# Altium PCB touch.gfx.PcbDoc (part 3 of 3)
Units mm, origin at the board's own origin, x right, y up, seen from the top; angles counter-clockwise.
Board outline 116.01 x 112.64 mm, 2 copper layers (Top Layer, Bottom Layer); 211 components, 219 nets, 923 pads, 396 vias.
Unrouted connection lines stored in the file: 1.
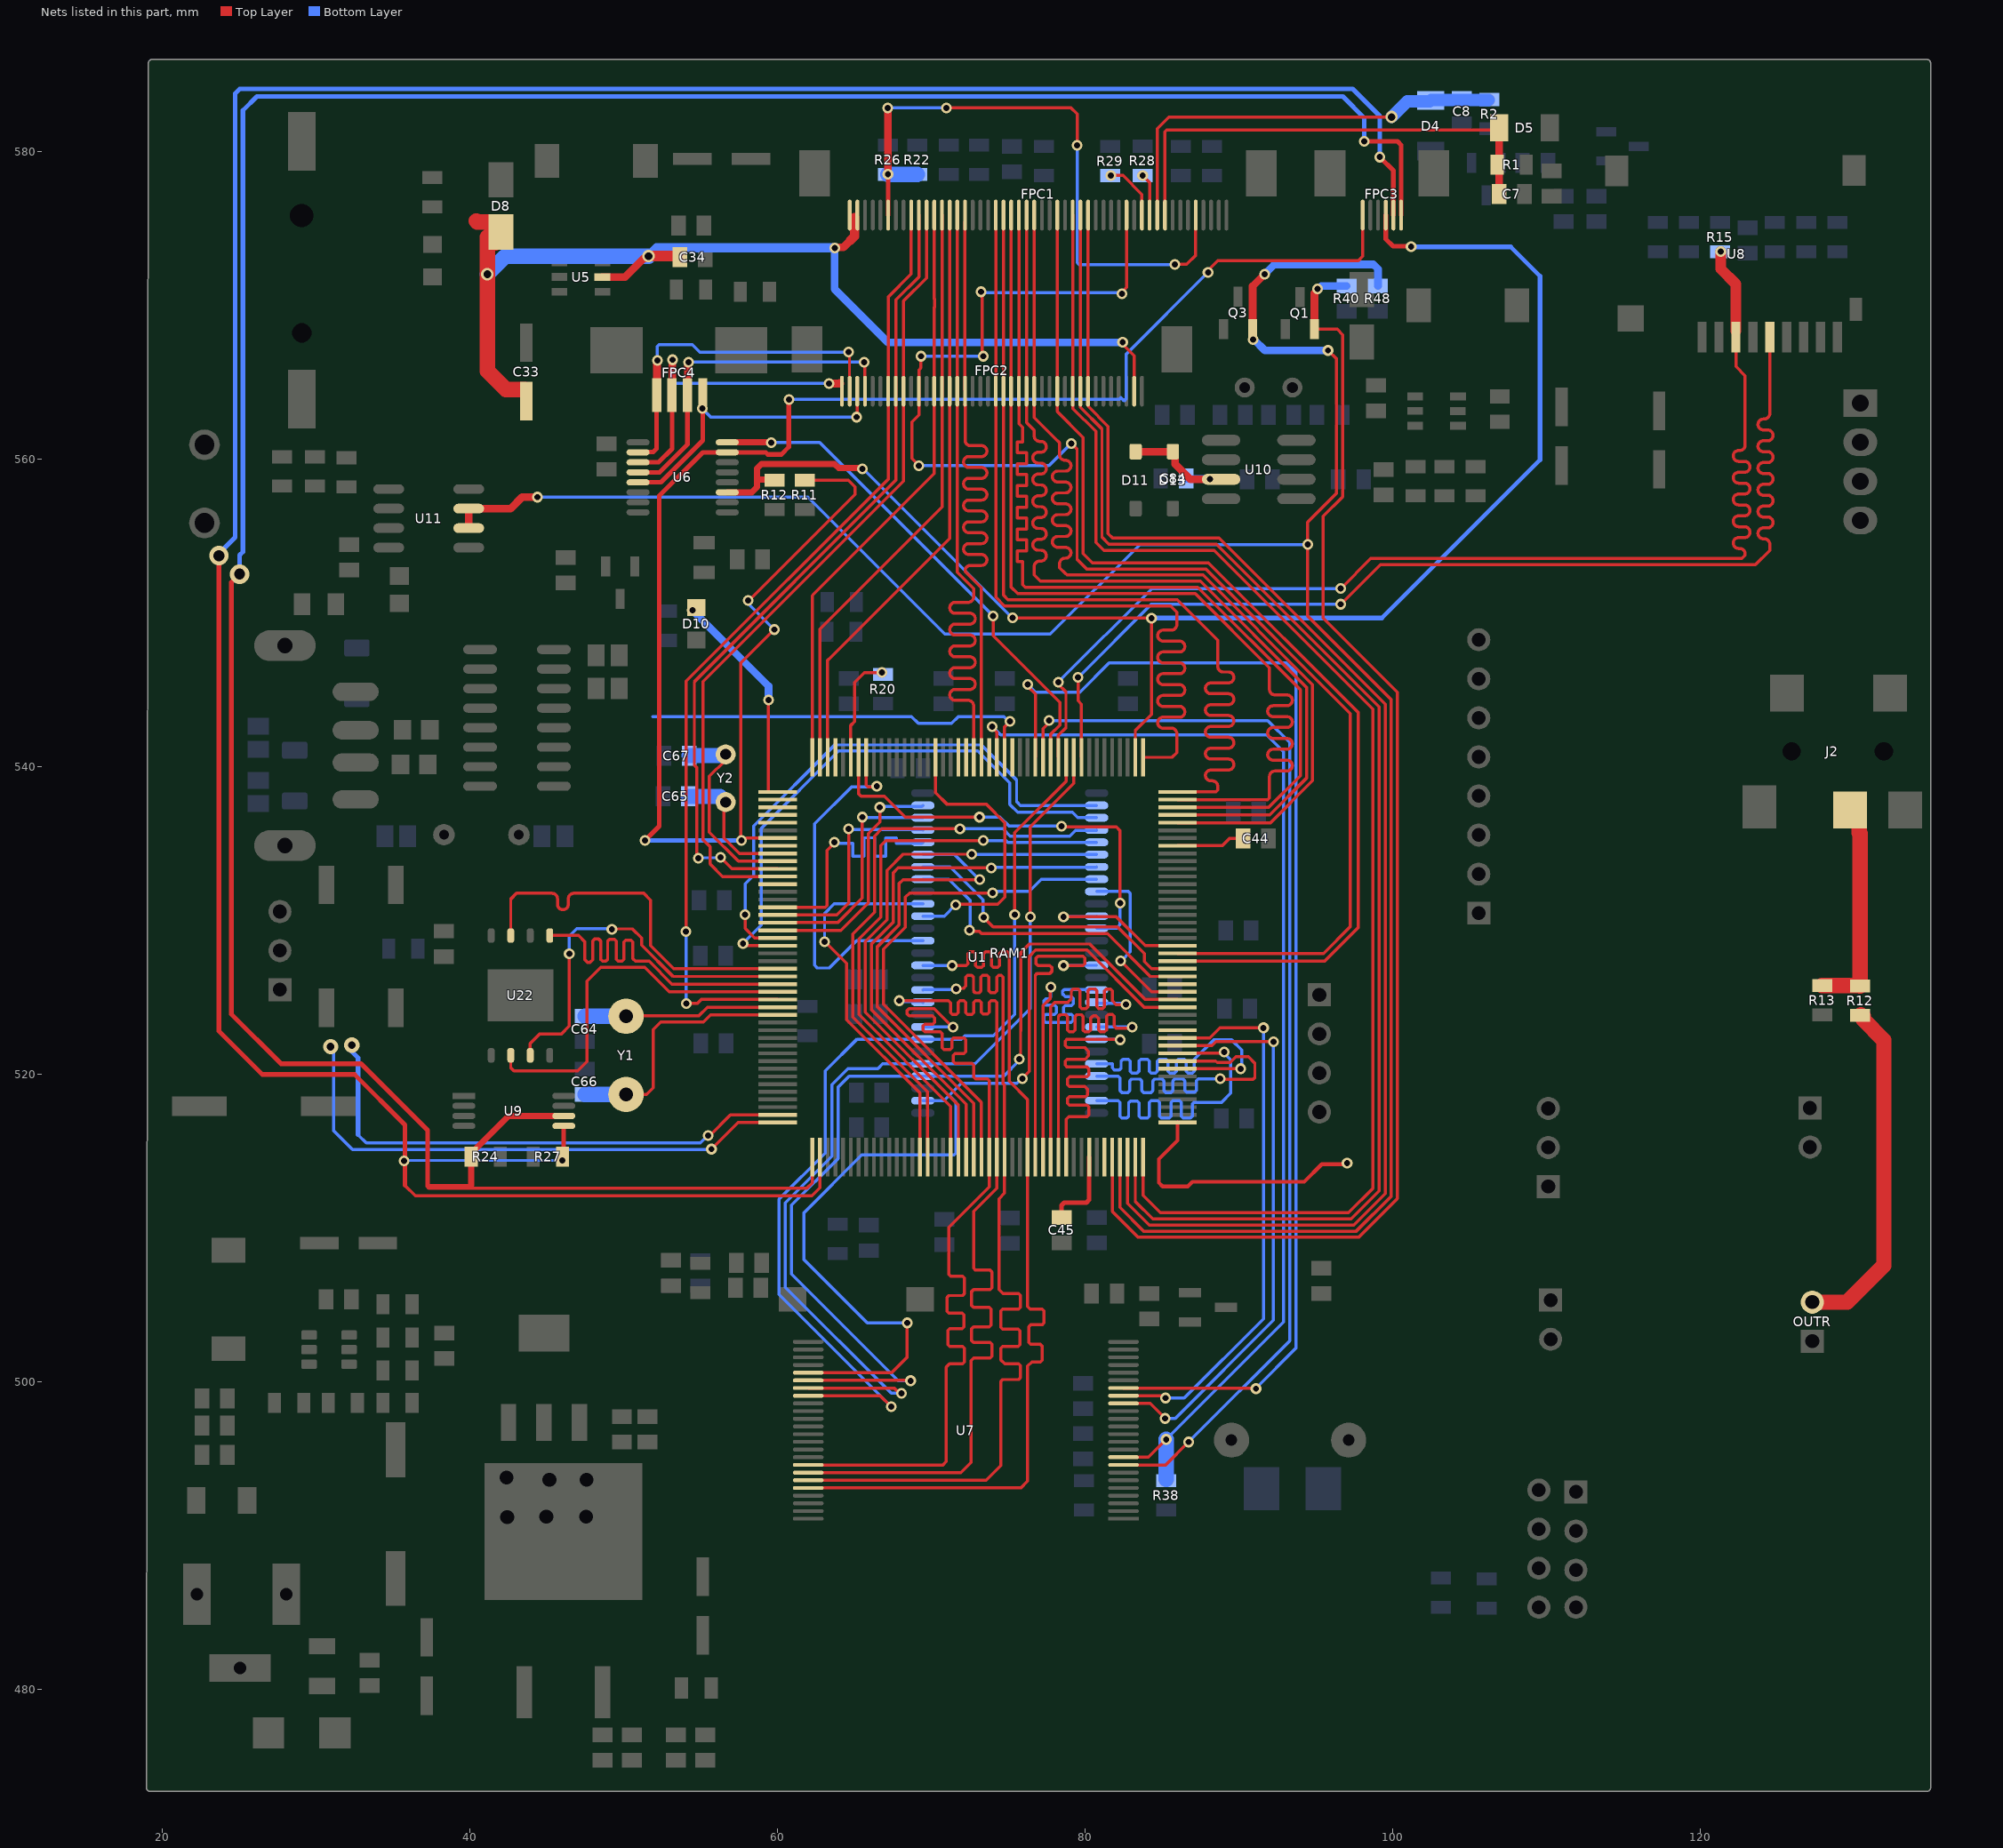
[diagram p3: the nets of this part, all layers, seen from the top]

## Via types
v1: diameter 0.7, hole 0.4, Top Layer to Bottom Layer, tented both sides, 329 vias
v2: diameter 1.27, hole 0.711, Top Layer to Bottom Layer, tented both sides, 22 vias
v3: diameter 1, hole 0.5, Top Layer to Bottom Layer, tented both sides, 19 vias
v4: diameter 1, hole 0.4, Top Layer to Bottom Layer, tented both sides, 8 vias
v5: diameter 0.8, hole 0.5, Top Layer to Bottom Layer, tented both sides, 6 vias
v6: diameter 3.1, hole 3.1, Top Layer to Bottom Layer, tented both sides, 4 vias
v7: diameter 0.6, hole 0.4, Top Layer to Bottom Layer, tented both sides, 4 vias
v8: diameter 1.1, hole 0.4, Top Layer to Bottom Layer, tented both sides, 2 vias
v9: diameter 1.2, hole 1.2, Top Layer to Bottom Layer, tented both sides, 2 vias

## Nets (pads, with @x,y where several pads share a name; then routed paths per layer and width w, separated by ;. In a path a pad name is that pad's centre, name@x,y a point inside that pad or via, vN(x,y) a via of type N, cw(c..) or ccw(c..) an arc to the next point about the centre after c; other vN are vias at no path point) (continued)
PC12: U1.141 U8.5 | length 75.3
  Top Layer w0.2: v1(79.56,545.783) 79.56,544.259 79.783,544.036 U1.141@79.783,540.585 ; v1(96.647,550.545) 99.212,553.11 123.601,553.11 124.535,554.044 124.535,554.345 124.535,554.445 ccw(c124.181,554.445) 124.181,554.799 124.124,554.799 cw(c124.124,555.153) 124.124,555.507 124.397,555.507 ccw(c124.397,555.861) 124.397,556.215 124.124,556.215 cw(c124.124,556.569) 124.124,556.923 124.397,556.923 ccw(c124.397,557.277) 124.397,557.631 124.124,557.631 cw(c124.124,557.985) 124.124,558.339 124.397,558.339 ccw(c124.397,558.693) 124.397,559.047 124.124,559.047 cw(c124.124,559.401) 124.124,559.755 124.397,559.755 ccw(c124.397,560.109) 124.397,560.463 124.124,560.463 cw(c124.124,560.817) 124.124,561.171 124.397,561.171 ccw(c124.397,561.525) 124.397,561.879 124.124,561.879 cw(c124.124,562.233) 124.124,562.587 124.181,562.587 ccw(c124.181,562.941) 124.535,562.941 124.535,563.475 U8.5@124.535,567.915
  Bottom Layer w0.2: v1(79.56,545.783) 84.322,550.545 v1(96.647,550.545)
PC13: U1.8
PC14: C65.2 U1.9 Y2.2 | length 8.5
  Top Layer w0.2: Y2.2@56.642,537.306 56.525,537.189 56.525,535.348 57.537,534.335 U1.9@60.033,534.335
  Bottom Layer w1: C65.2@54.22,538.045 56.278,538.045 Y2.2@56.645,537.678
PC15: C67.2 U1.10 Y2.1 | length 12.8
  Top Layer w0.2: Y2.1@56.642,540.406 55.582,539.346 55.582,535.725 57.472,533.835 U1.10@60.033,533.835
  Bottom Layer w1: C67.2@54.272,540.7 56.486,540.7 56.564,540.778 Y2.1@56.645,540.778
PD0: RAM1.5 U1.142 U7.31 | length 63.5
  Top Layer w0.2: U7.31@62.013,499.569 67.6,499.569 67.937,499.232 v1(68.072,499.232) ; v1(76.454,530.22) 76.454,536.062 79.283,538.891 U1.142@79.283,540.585
  Bottom Layer w0.2: v1(68.072,499.232) 67.417,499.232 60.522,506.127 60.522,511.621 63.553,514.652 63.553,519.307 64.59,520.344 66.547,520.344 66.861,520.658 RAM1.5@69.469,520.658 72.862,520.658 72.979,520.775 72.979,520.777 76.454,524.252 v1(76.454,530.22)
PD1: RAM1.7 U1.143 U7.32 | length 63.7
  Top Layer w0.2: U7.32@62.013,499.069 62.023,499.079 66.671,499.079 67.389,498.36 v1(67.409,498.36) ; v1(75.438,530.347) 75.438,535.681 78.783,539.026 U1.143@78.783,540.585
  Bottom Layer w0.2: v1(67.409,498.36) 60.122,505.647 60.122,511.856 63.119,514.853 63.119,520.187 65.19,522.258 RAM1.7@69.469,522.258 71.973,522.258 72.203,522.488 74.056,522.488 75.438,523.87 v1(75.438,530.347)
PD2: R15.2 U1.144 U8.3 | length 80.7
  Top Layer w0.2: v1(78.276,545.476) 78.276,545.34 78.774,544.843 78.774,542.515 78.279,542.021 78.279,540.589 U1.144@78.283,540.585 ; v1(96.647,551.561) 98.596,553.51 122.731,553.51 122.936,553.715 122.936,553.815 ccw(c122.582,553.815) 122.582,554.169 122.513,554.169 cw(c122.513,554.523) 122.513,554.877 122.896,554.877 ccw(c122.896,555.231) 122.896,555.585 122.513,555.585 cw(c122.513,555.939) 122.513,556.293 122.896,556.293 ccw(c122.896,556.647) 122.896,557.001 122.513,557.001 cw(c122.513,557.355) 122.513,557.709 122.896,557.709 ccw(c122.896,558.063) 122.896,558.417 122.513,558.417 cw(c122.513,558.771) 122.513,559.125 122.896,559.125 ccw(c122.896,559.479) 122.896,559.833 122.513,559.833 cw(c122.513,560.187) 122.513,560.541 122.582,560.541 ccw(c122.582,560.895) 122.936,560.895 122.936,562.732 122.936,565.399 122.335,566 U8.3@122.335,567.915
  Top Layer w0.7: v1(121.341,573.487) 121.341,572.359 122.335,571.365 U8.3@122.335,568.32
  Bottom Layer w0.2: v1(78.276,545.476) 84.362,551.561 v1(96.647,551.561)
PD3: U1.145 U6.16 | length 33.2
  Top Layer w0.2: v1(74.041,549.778) 74.041,548.49 78.374,544.157 78.374,542.681 77.783,542.09 U1.145@77.783,540.585
  Top Layer w0.4: U6.16@56.759,561.07 59.594,561.07 v1(59.604,561.06)
  Bottom Layer w0.2: v1(59.604,561.06) 62.759,561.06 v1(74.041,549.778)
PD4: U1.146 U7.8 | length 71.8
  Top Layer w0.2: U1.146@77.283,540.585 77.283,542.454 77.68,542.851 v1(77.68,542.976) ; U7.8@82.513,494.569 85.253,494.569 v1(86.741,496.057)
  Bottom Layer w0.2: v1(77.68,542.976) 91.897,542.976 93.319,541.554 93.319,502.635 v1(86.741,496.057)
PD5: U1.147 U7.18 | length 79.9
  Top Layer w0.2: v1(76.293,545.319) 76.293,545.183 76.783,544.694 U1.147@76.783,540.585 ; U7.18@82.513,499.569 91.091,499.569 v1(91.132,499.529)
  Bottom Layer w0.2: v1(76.293,545.319) 76.786,544.826 79.675,544.826 81.579,546.73 93.096,546.73 93.719,546.107 93.719,502.154 91.132,499.567 v1(91.132,499.529)
PD6: U1.150
PD7: U1.151 | length 26.2
  Top Layer w0.2: U1.151@74.783,540.585 74.783,542.558 75.133,542.908 v1(75.133,542.925)
  Bottom Layer w0.2: 51.918,543.236 68.735,543.236 69.178,542.793 71.332,542.793 71.777,543.238 74.736,543.238 75.049,542.925 v1(75.133,542.925)
PD8: RAM1.50 U1.96 | length 22.5
  Top Layer w0.2: U1.96@86.033,520.335 v1(90.132,520.335)
  Bottom Layer w0.2: RAM1.50@80.769,520.658 81.788,520.658 81.788,520.385 81.915,520.258 82.24,520.258 82.357,520.375 82.357,520.832 82.474,520.949 82.831,520.949 82.948,520.832 82.948,520.177 83.065,520.06 83.399,520.06 83.516,520.177 83.516,520.832 83.633,520.949 84.067,520.949 84.184,520.832 84.184,520.177 84.301,520.06 84.592,520.06 84.709,520.177 84.709,520.832 84.826,520.949 85.286,520.949 85.403,520.832 85.403,520.177 85.52,520.06 85.828,520.06 85.945,520.177 85.945,520.832 86.062,520.949 86.464,520.949 86.582,520.832 86.582,520.177 86.699,520.06 87.005,520.06 87.122,520.177 87.122,520.949 88.378,522.205 89.554,522.205 90.21,521.549 90.21,520.413 v1(90.132,520.335)
PD9: RAM1.51 U1.97 | length 22.7
  Top Layer w0.2: U1.97@86.033,520.835 88.506,520.835 88.606,520.735 89.464,520.735 89.84,521.112 90.63,521.112 91.059,520.682 91.059,519.771 90.942,519.654 88.827,519.654 v1(88.795,519.685)
  Bottom Layer w0.2: RAM1.51@80.769,519.858 82.179,519.858 82.296,519.741 82.296,518.907 82.413,518.79 82.814,518.79 82.931,518.907 82.931,519.543 83.048,519.66 83.576,519.66 83.693,519.543 83.693,518.907 83.81,518.79 84.315,518.79 84.432,518.907 84.432,519.543 84.549,519.66 85.022,519.66 85.139,519.543 85.139,518.907 85.256,518.79 85.611,518.79 85.728,518.907 85.728,519.543 85.845,519.66 86.385,519.66 86.503,519.543 86.503,518.926 86.62,518.809 87.132,518.809 87.249,518.926 87.249,519.552 87.382,519.685 v1(88.795,519.685)
PD10: RAM1.53 U1.98 | length 22.6
  Top Layer w0.2: U1.98@86.033,521.335 86.058,521.36 89.009,521.36 v1(89.072,521.423)
  Bottom Layer w0.2: RAM1.53@80.769,518.258 82.179,518.258 82.296,518.141 82.296,517.256 82.413,517.139 82.731,517.139 82.848,517.256 82.848,518.123 82.965,518.24 83.415,518.24 83.532,518.123 83.532,517.256 83.649,517.139 84.084,517.139 84.201,517.256 84.201,518.141 84.318,518.258 84.732,518.258 84.849,518.141 84.849,517.256 84.966,517.139 85.481,517.139 85.598,517.256 85.598,518.144 85.715,518.261 86.165,518.261 86.282,518.144 86.282,517.256 86.399,517.139 86.867,517.139 86.985,517.256 86.985,518.037 87.102,518.154 88.894,518.154 89.482,518.742 89.482,520.914 89.072,521.324 v1(89.072,521.423)
PD11: U1.99 U7.16 | length 37.3
  Top Layer w0.2: U7.16@82.513,498.569 84.246,498.569 v1(85.225,497.59) ; U1.99@86.033,521.835 86.611,521.835 86.614,521.838 86.617,521.835 88.262,521.835 88.524,522.097 v1(92.269,522.098)
  Bottom Layer w0.2: v1(85.225,497.59) 85.881,497.59 92.269,503.977 v1(92.269,522.098)
PD12: U1.100 U7.17 | length 36.1
  Top Layer w0.2: U7.17@82.513,499.069 84.977,499.069 85.127,498.919 v1(85.256,498.919) ; U1.100@86.033,522.335 88.122,522.335 88.782,522.995 v1(91.619,522.995)
  Bottom Layer w0.2: v1(85.256,498.919) 86.461,498.919 91.619,504.076 v1(91.619,522.995)
PD13: U1.101
PD14: RAM1.2 U1.104 U7.29 | length 62.6
  Top Layer w0.2: U7.29@62.013,500.569 67.443,500.569 68.453,501.58 v1(68.453,503.804) ; v1(75.946,519.679) 75.946,519.732 76.379,520.165 76.379,527.639 76.786,528.046 80.148,528.046 83.859,524.335 U1.104@86.033,524.335
  Bottom Layer w0.2: v1(68.453,503.804) 65.856,503.804 61.722,507.938 61.722,510.952 65.496,514.726 71.511,514.726 71.628,514.843 71.628,518.155 71.183,518.6 ; RAM1.2@69.469,518.258 70.866,518.258 70.866,518.282 71.183,518.6 ; v1(75.946,519.679) 75.867,519.679 75.579,519.391 71.975,519.391 71.183,518.6
PD15: RAM1.4 U1.105 U7.30 | length 62.2
  Top Layer w0.2: U7.30@62.013,500.069 62.015,500.071 68.647,500.071 v1(68.673,500.045) ; v1(75.729,520.949) 75.825,521.045 75.825,522.796 75.829,522.801 75.829,527.897 76.378,528.446 80.314,528.446 83.924,524.835 U1.105@86.019,524.835
  Bottom Layer w0.2: v1(68.673,500.045) 67.873,500.045 60.922,506.997 60.922,511.455 63.953,514.486 63.953,519.141 64.67,519.858 RAM1.4@69.469,519.858 74.728,519.858 75.729,520.859 v1(75.729,520.949)
PDR_ON: R20.2 U1.171 | length 7
  Top Layer w0.2: U1.171@64.783,540.585 64.783,542.667 65.024,542.908 65.024,545.465 65.659,546.1 v1(66.802,546.1)
PE0: RAM1.15 U1.169 | length 24.7
  Top Layer w0.2: U1.169@65.779,540.626 65.783,540.623 65.783,538.789 65.9,538.672 66.445,538.672 v1(66.473,538.7)
  Bottom Layer w0.2: v1(66.473,538.7) 66.445,538.672 64.84,538.672 62.423,536.255 62.423,527.063 62.601,526.884 63.389,526.884 65.163,528.658 RAM1.15@69.469,528.658
PE1: RAM1.39 U1.170 | length 28.2
  Top Layer w0.2: U1.170@65.279,540.626 65.279,538.857 65.278,538.856 65.278,538.221 65.449,538.05 66.973,538.05 68.326,536.697 v1(73.152,536.697) ; v1(78.486,536.108) 78.532,536.062 82.052,536.062 82.296,535.818 v1(82.296,531.109)
  Bottom Layer w0.2: v1(73.152,536.697) 74.489,536.697 75.078,536.108 v1(78.486,536.108) ; RAM1.39@80.769,529.458 82.042,529.458 82.278,529.694 82.278,531.091 v1(82.296,531.109)
PE2: D10.1 U1.1 | length 14.5
  Top Layer w0.2: v1(59.436,544.317) 59.436,538.36 59.461,538.335 U1.1@60.033,538.335
  Bottom Layer w0.5: v1(54.483,550.159) 59.436,545.206 v1(59.436,544.317)
PE3: U1.2
PE4: U1.3
PE5: U1.4
PE6: U1.5
PE7: RAM1.8 U1.68 U7.41 | length 59.6
  Top Layer w0.2: U7.41@62.013,494.569 70.775,494.569 70.993,494.787 70.993,500.93 71.2,501.137 72.064,501.137 72.181,501.254 72.181,502.163 72.064,502.28 71.211,502.28 71.094,502.397 71.094,503.306 71.211,503.423 72.019,503.423 72.136,503.54 72.136,504.322 72.019,504.439 71.155,504.439 71.038,504.556 71.038,505.465 71.155,505.582 72.064,505.582 72.181,505.699 72.181,506.735 72.064,506.852 71.282,506.852 71.165,506.969 71.165,510.025 73.783,512.642 U1.68@73.783,514.585 73.783,519.562 73.665,519.679 72.888,519.679 72.771,519.796 72.771,520.578 72.654,520.695 71.571,520.695 71.454,520.812 71.454,521.213 71.571,521.33 72.146,521.33 72.263,521.447 72.263,522.219 72.136,522.346 71.472,522.346 71.355,522.229 71.355,521.694 71.238,521.577 70.837,521.577 70.72,521.694 70.72,522.61 70.603,522.727 69.596,522.727 69.469,522.854 69.469,523.108 69.596,523.235 70.114,523.235 70.231,523.352 70.231,523.634 70.08,523.785 68.57,523.785 68.453,523.902 68.453,524.134 68.57,524.251 70.192,524.251 71.399,523.044 v1(71.438,523.044)
  Bottom Layer w0.2: RAM1.8@69.469,523.058 69.476,523.051 71.431,523.051 v1(71.438,523.044)
PE8: RAM1.10 U1.69 U7.42 | length 60.7
  Top Layer w0.2: U7.42@62.013,494.069 71.936,494.069 72.604,494.737 72.604,501.351 72.771,501.518 73.842,501.518 73.959,501.635 73.959,502.417 73.842,502.534 72.761,502.534 72.644,502.651 72.644,503.433 72.761,503.55 73.797,503.55 73.914,503.667 73.914,504.703 73.797,504.82 72.761,504.82 72.644,504.937 72.644,505.846 72.761,505.963 73.842,505.963 73.959,506.08 73.959,507.116 73.842,507.233 72.898,507.233 72.771,507.36 72.771,511.065 74.279,512.573 U1.69@74.279,514.585 ; v1(67.945,524.759) 71.124,524.759 71.266,524.617 71.266,523.987 71.383,523.87 71.638,523.87 71.755,523.987 71.755,524.632 71.882,524.759 72.146,524.759 72.263,524.642 72.263,523.987 72.38,523.87 72.654,523.87 72.771,523.987 72.771,524.642 72.888,524.759 73.162,524.759 73.279,524.642 73.279,523.999 73.396,523.882 73.67,523.882 73.787,523.999 73.787,524.645 73.904,524.762 74.162,524.762 74.279,524.645 74.279,519.199 74.283,519.195 U1.69@74.283,514.585
  Bottom Layer w0.2: v1(67.945,524.759) 67.995,524.709 69.418,524.709 RAM1.10@69.469,524.658
PE9: RAM1.11 U1.70 U7.43 | length 61.5
  Top Layer w0.2: U7.43@62.013,493.569 73.585,493.569 74.549,494.533 74.549,500.004 74.666,500.121 75.702,500.121 75.819,500.238 75.819,501.02 75.702,501.137 74.803,501.137 74.549,501.391 74.549,502.163 74.666,502.28 75.657,502.28 75.774,502.397 75.774,503.286 75.657,503.403 74.666,503.403 74.549,503.521 74.549,504.576 74.666,504.693 75.702,504.693 75.819,504.81 75.819,505.592 75.702,505.709 74.676,505.709 74.422,505.963 74.422,511.881 74.782,512.241 U1.70@74.783,514.585 74.783,519.261 74.679,519.364 74.679,526.294 74.562,526.411 74.394,526.411 74.276,526.294 74.276,525.409 74.159,525.292 73.888,525.292 73.771,525.409 73.771,526.293 73.653,526.41 73.356,526.41 73.239,526.293 73.239,525.384 73.122,525.267 72.879,525.267 72.762,525.384 72.762,526.293 72.645,526.41 72.38,526.41 72.263,526.293 72.263,525.706 72.113,525.555 71.662,525.555 v1(71.628,525.521)
  Bottom Layer w0.2: RAM1.11@69.469,525.458 69.501,525.49 71.597,525.49 v1(71.628,525.521)
PE10: RAM1.13 U1.73 U7.44 | length 62.3
  Top Layer w0.2: U7.44@62.013,493.069 75.829,493.069 76.283,493.523 76.283,500.994 76.553,501.264 77.099,501.264 77.216,501.381 77.216,502.29 77.099,502.407 76.479,502.407 76.362,502.524 76.362,503.56 76.479,503.677 77.226,503.677 77.343,503.794 77.343,504.576 77.226,504.693 76.454,504.693 76.283,504.864 U1.73@76.283,514.585 ; v1(71.374,527.045) 72.273,527.045 72.39,527.162 72.39,527.817 72.507,527.934 72.781,527.934 72.898,527.817 72.898,527.045 73.024,526.919 73.308,526.919 73.425,527.036 73.425,527.822 73.542,527.939 73.822,527.939 73.939,527.822 73.939,527.035 74.057,526.918 74.337,526.918 74.454,527.035 74.454,527.818 74.572,527.935 74.962,527.935 75.079,527.818 75.079,519.53 76.279,518.33 U1.73@76.279,514.585
  Bottom Layer w0.2: RAM1.13@69.482,527.045 v1(71.374,527.045)
PE11: RAM1.42 U1.74 | length 22
  Top Layer w0.2: U1.74@76.779,514.626 76.779,526.42 76.896,526.537 77.734,526.537 77.851,526.654 77.851,526.918 77.724,527.045 76.952,527.045 76.835,527.162 76.835,527.529 76.952,527.646 79.893,527.646 80.01,527.529 80.01,527.162 79.893,527.045 v1(78.613,527.045)
  Bottom Layer w0.2: v1(78.613,527.045) 78.626,527.058 RAM1.42@80.769,527.058
PE12: RAM1.44 U1.75 | length 22.6
  Top Layer w0.2: U1.75@77.278,514.59 77.278,520.082 77.283,520.086 77.283,524.433 77.739,524.889 77.739,525.604 v1(77.78,525.646)
  Bottom Layer w0.2: v1(77.78,525.646) 77.777,525.642 77.777,525.003 77.66,524.886 77.46,524.886 77.343,524.769 77.343,524.587 77.46,524.47 78.024,524.47 78.141,524.353 78.141,523.987 78.024,523.87 77.46,523.87 77.343,523.753 77.343,523.453 77.46,523.336 79.106,523.336 79.224,523.453 79.224,523.465 79.248,523.489 79.248,523.737 79.131,523.855 78.727,523.855 78.61,523.972 78.61,524.324 78.727,524.442 79.131,524.442 79.248,524.559 79.248,524.896 79.131,525.013 78.74,525.013 78.544,525.209 78.544,525.375 78.661,525.492 RAM1.44@80.592,525.492
PE13: RAM1.45 U1.76 | length 22.8
  Top Layer w0.2: U1.76@77.783,514.585 77.783,524.367 78.048,524.632 78.877,524.632 78.994,524.749 79.004,524.749 79.121,524.866 79.121,525.404 79.238,525.521 79.558,525.521 79.675,525.404 79.675,524.368 79.792,524.251 80.077,524.251 80.194,524.368 80.194,525.41 80.311,525.527 80.655,525.527 80.772,525.41 80.772,524.378 80.899,524.251 81.163,524.251 81.28,524.368 81.28,525.404 81.397,525.521 81.671,525.521 81.788,525.404 81.788,524.749 82.029,524.508 v1(82.679,524.508)
  Bottom Layer w0.2: RAM1.45@80.769,524.658 80.828,524.599 82.588,524.599 v1(82.679,524.508)
PE14: RAM1.47 U1.77 | length 22.8
  Top Layer w0.2: U1.77@78.283,514.585 78.283,523.734 78.4,523.851 78.75,523.851 78.867,523.734 78.867,522.844 78.984,522.727 79.258,522.727 79.375,522.844 79.375,523.734 79.492,523.851 79.766,523.851 79.883,523.734 79.883,522.835 79.991,522.727 80.264,522.727 80.391,522.854 80.391,523.626 80.508,523.743 80.518,523.743 80.562,523.787 80.728,523.787 80.899,523.616 80.899,522.844 81.016,522.727 81.28,522.727 81.407,522.854 81.407,523.743 81.534,523.87 81.788,523.87 81.915,523.743 81.915,523.098 82.032,522.981 83.005,522.981 v1(83.074,523.05)
  Bottom Layer w0.2: RAM1.47@80.769,523.058 80.773,523.054 83.07,523.054 v1(83.074,523.05)
PE15: RAM1.48 U1.78 | length 22.8
  Top Layer w0.2: U1.78@78.783,514.585 78.783,517.033 78.965,517.216 80.147,517.216 80.264,517.333 80.264,517.853 80.147,517.97 78.984,517.97 78.867,518.087 78.867,518.389 78.984,518.506 80.059,518.506 80.177,518.623 80.177,519.005 80.01,519.171 78.984,519.171 78.867,519.288 78.867,519.679 79.011,519.823 80.147,519.823 80.264,519.941 80.264,520.324 80.147,520.441 78.857,520.441 78.74,520.558 78.74,520.832 78.857,520.949 80.02,520.949 80.245,521.174 80.245,521.476 80.01,521.711 78.867,521.711 78.74,521.838 78.74,522.141 78.857,522.258 v1@82.296,522.258
  Bottom Layer w0.2: RAM1.48@80.769,522.258 80.788,522.239 82.276,522.239 v1(82.296,522.219)
PF0: RAM1.23 U1.16 | length 18.2
  Top Layer w0.2: U1.16@60.033,530.835 63.129,530.835 63.246,530.953 63.246,531.276 63.246,534.538 63.714,535.006 v1(63.714,535.073)
  Bottom Layer w0.2: v1(63.714,535.073) 63.788,534.999 64.117,534.999 64.925,534.999 64.925,534.16 65.633,534.16 65.633,535.353 66.341,535.353 66.341,534.16 67.049,534.16 67.049,535.353 67.757,535.353 67.757,534.999 68.326,534.999 69.41,534.999 RAM1.23@69.469,535.058
PF1: RAM1.24 U1.17 | length 14.6
  Top Layer w0.2: U1.17@60.033,530.335 63.869,530.335 64.362,530.828 64.643,531.109 64.643,535.609 v1(64.643,535.935)
  Bottom Layer w0.2: v1(64.643,535.935) 64.682,535.897 69.431,535.897 RAM1.24@69.469,535.858
PF2: RAM1.25 U1.18 | length 15.4
  Top Layer w0.2: U1.18@60.033,529.835 63.935,529.835 64.035,529.935 65.532,531.432 v1(65.532,536.697)
  Bottom Layer w0.2: v1(65.532,536.697) 65.551,536.678 69.45,536.678 RAM1.25@69.469,536.658
PF3: RAM1.26 U1.19 | length 16
  Top Layer w0.2: U1.19@60.054,529.335 64.139,529.335 65.932,531.128 65.932,532.484 65.932,535.631 66.675,536.374 v1(66.675,537.332)
  Bottom Layer w0.2: v1(66.675,537.332) 66.742,537.399 69.41,537.399 RAM1.26@69.469,537.458
PF4: RAM1.29 U1.20 | length 36.2
  Top Layer w0.2: v1(57.912,530.347) 57.912,529.458 58.535,528.835 U1.20@60.033,528.835
  Bottom Layer w0.2: v1(57.912,530.347) 57.912,532.359 58.471,532.917 58.471,536.125 63.742,541.396 73.279,541.396 75.565,539.11 75.565,537.713 75.82,537.458 RAM1.29@80.769,537.458
PF5: RAM1.30 U1.21 | length 36.8
  Top Layer w0.2: v1@57.774,528.485 57.909,528.485 58.059,528.335 U1.21@60.033,528.335
  Bottom Layer w0.2: v1(57.773,528.485) 58.953,529.666 58.953,535.96 63.989,540.996 73.044,540.996 75.12,538.92 75.12,537.523 75.629,537.015 79.184,537.015 79.541,536.658 RAM1.30@80.769,536.658
PF6: U1.24 U22.7 | length 25.2
  Top Layer w0.2: U22.7@42.672,528.998 42.672,531.368 43.048,531.744 44.371,531.744 44.471,531.744 45.356,531.744 cw(c45.356,531.39) 45.71,531.39 45.71,531.028 ccw(c46.064,531.028) 46.418,531.028 46.418,531.39 cw(c46.772,531.39) 46.772,531.744 48.45,531.743 48.55,531.743 51.319,531.743 51.772,531.29 51.772,528.353 53.274,526.851 60.017,526.851 U1.24@60.033,526.835
PF7: U1.25 U22.3 | length 24.9
  Top Layer w0.2: U22.3@43.942,521.208 43.942,521.97 44.577,522.605 45.974,522.605 46.477,523.108 v1(46.477,527.807) ; v1(49.248,529.403) 49.273,529.429 50.577,529.429 51.181,528.825 51.181,528.378 53.223,526.335 U1.25@60.033,526.335